# Allegro board MinnowMax_RevA1.brd (continued)
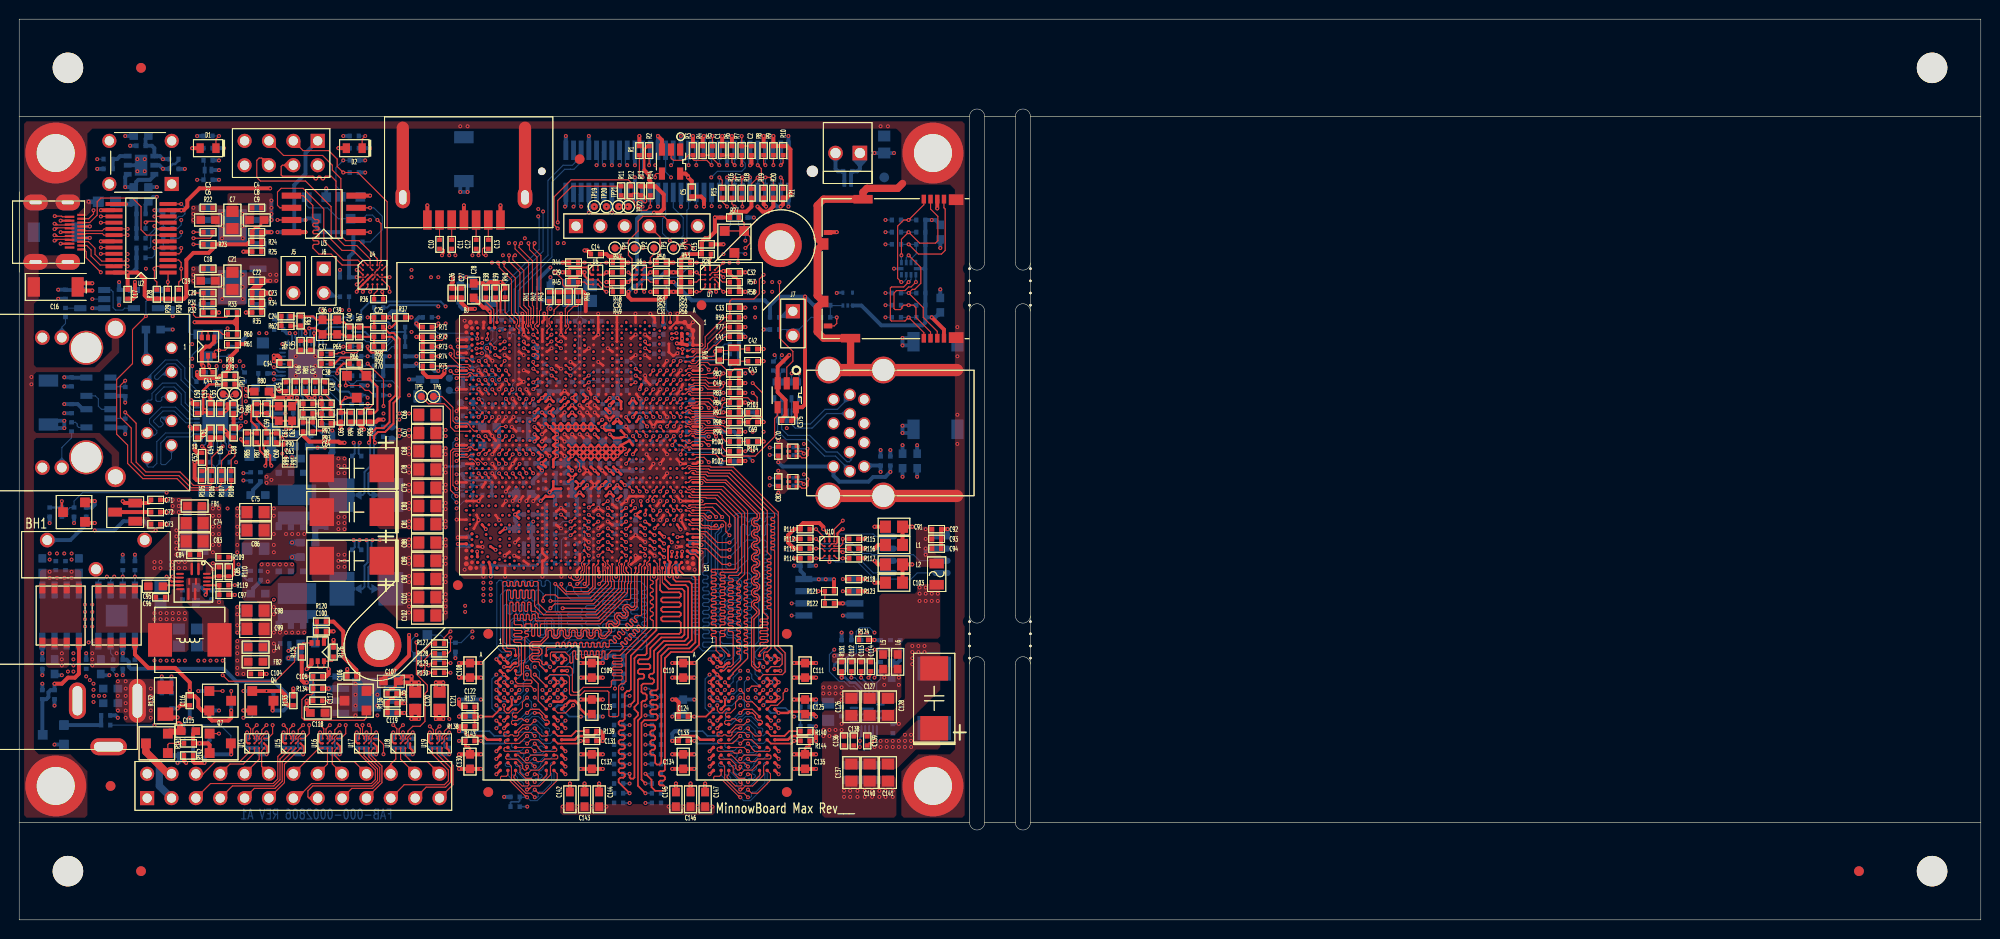
[diagram p0: board, top side]
## Library data of the parts (continued)
C14 C15 C29-C32 C165 C167 C168 C210 C232 C346-C357 C375 = CAP NP: signal model: DEFAULT_CAPACITOR_100000pF_2_1
C16 = CAP_150pF_1000V_0: signal model: DEFAULT_CAPACITOR_150.000000pF_2_1
C24 C229 C270 C296 = C0402: signal model: DEFAULT_CAPACITOR_2200pF_2_1
C25 C60 C71-C73 C136 C138 C283 C284 C307 = C0603: signal model: DEFAULT_CAPACITOR_100000pF_2_1
C34 C37 C46 C116 C338 C341 = C0603: signal model: DEFAULT_CAPACITOR_1e+06pF_2_1
C35 C47 C173 = C0402: signal model: DEFAULT_CAPACITOR_10000pF_2_1
C36 C39 C61 C62 = CAP_0.033uF_X7R_10%_25V_0603: signal model: DEFAULT_CAPACITOR_33000pF_2_1
C40 C59 = C0402: signal model: DEFAULT_CAPACITOR_22000pF_2_1
C42 C43 = C0402: signal model: DEFAULT_CAPACITOR_18.000000pF_2_1
C44 = CAP_3: signal model: DEFAULT_CAPACITOR_1e+06pF_2_1
C45 = C0805: signal model: DEFAULT_CAPACITOR_220000pF_2_1
C48 C184 C189 C226 = C0402: signal model: DEFAULT_CAPACITOR_1000pF_2_1
C49 C69 C374 = C0402: signal model: DEFAULT_CAPACITOR_10.000000pF_2_1
C50-C56 C58 C166 C205-C209 C231 = C-0805_1: signal model: DEFAULT_CAPACITOR_100000pF_2_1
C57 = C-0805_1: signal model: DEFAULT_CAPACITOR_1e+06pF_2_1
C63 = C0402: signal model: DEFAULT_CAPACITOR_220.000000pF_2_1
C64 C186 = C0402: signal model: DEFAULT_CAPACITOR_330.000000pF_2_1
C76 C77 C87 C129 = CAP_POL_330UF_POLY_20%_2V_7343: signal model: DEFAULT_CAPACITOR_3.3e+08pF_1_2
C106 C152 = C0402: signal model: DEFAULT_CAPACITOR_22.000000pF_2_1
C108-C111 C123 C125 C130 C132 C134 C135 C142-C147 C318 C319 C321 C322 C330 C333 C363-C366 C368-C373 = CAP_0.47uF_X5R_10%_10V_0603: signal model: DEFAULT_CAPACITOR_470000pF_2_1
C119 C175 C176 C252 C253 = C0402: signal model: DEFAULT_CAPACITOR_27.000000pF_2_1
C148 C161 C233 = CAP_8200pF_1000V_10%_1: signal model: DEFAULT_CAPACITOR_8200pF_2_1
C149 C150 = CAP_2.2uF_X5R_6.3V_10%_0402: signal model: DEFAULT_CAPACITOR_2.2e+06pF_2_1
C157 C238 C240 = CAP_4p7uF_X5R_10%_10V_0603: signal model: DEFAULT_CAPACITOR_4.7e+06pF_2_1
C164 C201 C224 C225 = C0805: signal model: DEFAULT_CAPACITOR_2.2e+07pF_2_1
C169 C211 = CAP NP_0: signal model: DEFAULT_CAPACITOR_8200pF_2_1
C185 C228 = C0402: signal model: DEFAULT_CAPACITOR_33.000000pF_2_1
C187 C227 = C0402: signal model: DEFAULT_CAPACITOR_560.000000pF_2_1
C188 = C0402: signal model: DEFAULT_CAPACITOR_470.000000pF_2_1
C190 C204 C325 C342 = C0603: signal model: DEFAULT_CAPACITOR_220000pF_2_1
C310 = C0402: signal model: DEFAULT_CAPACITOR_100.000000pF_2_1
C331 = C0402: signal model: DEFAULT_CAPACITOR_3.300000pF_2_1
C358 = C0402: signal model: DEFAULT_CAPACITOR_4700pF_2_1
CHOKE1-CHOKE4 = COM_CHOKE_90_OHM: Tolerance: TOL*; User Part Number: P/N*
CPU1 = INTEL_ATOM_E3825_5
D1 D2 = LED_LTST-C150GKT_1
D3 D4 D6 D11 D12 = BAT54A_2
D5 D8 D10 = DIODE_DUAL_BAT54C-S
D7 D9 = ESD-SOD-XFDFN_P
F1 = FUSE_0
FB1 FB2 FB4 FB5 FB11 L4-L6 L12 L13 = FB0805
FB3 = INDUCTOR_2: room: CPU
FB6 = BEAD_0
FB7 FB9 FB10 FB12 = TB321611U520_1: signal model: DEFAULT_RESISTOR_0.001OHM_2_1
FB8 = BEAD_2: signal model: DEFAULT_RESISTOR_0.001OHM_2_1
H1-H4 = MHOLE
J1 = HEADER 4x2_1
J2 = FAN_JUMPER1x2
J3 = SATA_HEADER_RA_0
J4 = SIP6_RA
J5-J7 = JUMPER1x2_0
J8 = CONN_RJ45_MAGJACK_GIGABIT
J9 = Conn_PwrJack_RAPC712_0
J10 = CONN_5177985-2
JP1 = HDR13x2_0p1
L1 L2 = FB_220OHMS_2A_0805
L3 = CHOKE_2R2M-7D3X6D8-PT6D2-SMD
L7 = 111-1002735: tolerance: 25%
L8 = INDUCTOR IRON_1
L9 L10 = INDUCTOR_0R33M-PT5D1-SMD: signal model: DEFAULT_INDUCTOR_330.000000nH_2_1
L11 = CHOKE_1R0M-7D3X6D8-PT6D2-SMD
LAN1 = RTL8111GS_0
MEM1-MEM4 = MICRON_MT41K256M16HA
P1 = CONN_HDMI_TYPED_TH
P2 = microSD_CONN_BOTTOM
Q1 Q3 = MBT3904DW1T1G_0
Q2 Q9 = BAV99_1
Q4 = MMBT3904
Q5 Q6 Q13 = MOSFET_NCH_30V_3_5A_TSMT3_0
Q7 Q10-Q12 Q14 = 2N7002K
Q8 = MOSFET_NChan_BSS138
R1 R27 R44 R45 R47 R49 R52-R54 R56-R58 R111 R113 R115 R117 R171 R172 R177 R236 R257 = R0402: signal model: DEFAULT_RESISTOR_2200OHM_2_1
R2 R13 R14 R28-R31 R55 R71 R75 R83 R84 R97 R102 R112 R114 R116 R118 R120 R123 R124 R133 R152 R163-R165 R169 R170 R183 R189-R191 R209-R211 R219-R221 R231 R237 R254 R260 R266-R268 R276 R295 R296 R319 R323 R334-R339 = RES_10K0_1%_1/10W_0402: signal model: DEFAULT_RESISTOR_10000OHM_2_1
R3 R90 R196 = R0402: signal model: DEFAULT_RESISTOR_200.000000OHM_2_1
R4 R23 R32 R33 R125 R126 R137 R138 R143 R144 R149 R282 R283 R310 R325 R326 R333 = R0402: signal model: DEFAULT_RESISTOR_4700OHM_2_1
R5 R18 R20 R22 R26 R36 R51 R59 R65 R66 R91 R98 R99 R103 R121 R122 R151 R178 R188 R199 R227 R235 R243 R248 R261 R293 R300 R302 R306 R353 = R0402: signal model: DEFAULT_RESISTOR_0.001OHM_2_1
R6 R7 R69 R87 R94 R134 R162 R186 R187 R253 R259 R278 R289 = R0402: signal model: DEFAULT_RESISTOR_1000.000000OHM_2_1
R8-R10 R19 R21 = RES_51R0_1%_0p1W_0402: signal model: DEFAULT_RESISTOR_51.000000OHM_2_1
R11 R12 R269 R270 = R0402: signal model: DEFAULT_RESISTOR_22.000000OHM_2_1
R15-R17 = RES_1K00_1p0%_0p1W_0402: signal model: DEFAULT_RESISTOR_1000.000000OHM_2_1
R24 R150 R225 = R0402: signal model: DEFAULT_RESISTOR_12100OHM_2_1
R25 = R0402: signal model: DEFAULT_RESISTOR_9530OHM_2_1
R34 = R0402: signal model: DEFAULT_RESISTOR_6040OHM_2_1
R35 = R0402: signal model: DEFAULT_RESISTOR_23700OHM_2_1
R37 R64 R81 R89 R320 = R0402: signal model: DEFAULT_RESISTOR_10.000000OHM_2_1
R38 R39 R213 = R0402: signal model: DEFAULT_RESISTOR_150.000000OHM_2_1
R40 = RES_357R_1%_1/10W_0402: signal model: DEFAULT_RESISTOR_357.000000OHM_2_1
R41-R43 R46 R48 R72-R74 R127-R130 R192 R216 R222 R251 R265 R275 R354 = R0603: signal model: DEFAULT_RESISTOR_0.001OHM_2_1
R50 R82 R119 R147 R154-R157 R173 R174 R180 R182 R273 R274 R292 R299 R301 R303 R309 R322 R324 R340 = RES_100K_1%_1/10W_0402: signal model: DEFAULT_RESISTOR_100000OHM_2_1
R60 R61 R161 R256 R279 = R0402: signal model: DEFAULT_RESISTOR_20000OHM_2_1
R62 R249 = R0402: signal model: DEFAULT_RESISTOR_649.000000OHM_2_1
R63 = R0402: signal model: DEFAULT_RESISTOR_3570OHM_2_1
R67 R86 = R0402: signal model: DEFAULT_RESISTOR_11000OHM_2_1
R68 R88 = R0402: signal model: DEFAULT_RESISTOR_1.000000OHM_2_1
R70 = R0402: signal model: DEFAULT_RESISTOR_2550OHM_2_1
R76 = R0402: signal model: DEFAULT_RESISTOR_0.01OHM_2_1
R77 R185 = R0402: signal model: DEFAULT_RESISTOR_45.300000OHM_2_1
R78 R208 R233 R234 R288 R321 = R_0: signal model: DEFAULT_RESISTOR_1000.000000OHM_2_1
R79 = R_0: signal model: DEFAULT_RESISTOR_15000OHM_2_1
R80 = R0603: signal model: DEFAULT_RESISTOR_1.000000OHM_2_1
R85 = R0402: signal model: DEFAULT_RESISTOR_2610OHM_2_1
R92 = R0402: signal model: DEFAULT_RESISTOR_2320OHM_2_1
R93 = R0402: signal model: DEFAULT_RESISTOR_3320OHM_2_1
R95 R96 = R0402: signal model: DEFAULT_RESISTOR_1910OHM_2_1
R100 R228 = R0402: signal model: DEFAULT_RESISTOR_20.000000OHM_2_1
R101 R201 = R0402: signal model: DEFAULT_RESISTOR_16.900000OHM_2_1
R104 R197 R223 R224 = R0402: signal model: DEFAULT_RESISTOR_69.800000OHM_2_1
R105 = R_0: signal model: DEFAULT_RESISTOR_2490OHM_2_1
R106 = R_0: signal model: DEFAULT_RESISTOR_330.000000OHM_2_1
R107 R108 R232 R264 = R_0: signal model: DEFAULT_RESISTOR_0.001OHM_2_1
R109 R110 = R0402: signal model: DEFAULT_RESISTOR_499000OHM_2_1
R131 = R0402: signal model: DEFAULT_RESISTOR_121000OHM_2_1
R132 R271 R290 = R1206: signal model: DEFAULT_RESISTOR_2.200000OHM_2_1
R135 = R0402: signal model: DEFAULT_RESISTOR_143000OHM_2_1
R136 = R0402: signal model: DEFAULT_RESISTOR_40200OHM_2_1
R139 R140 R327 R332 = R0402: signal model: DEFAULT_RESISTOR_240.000000OHM_2_1
R141 R206 = R0402: signal model: DEFAULT_RESISTOR_200000OHM_2_1
R142 R194 = R0402: signal model: DEFAULT_RESISTOR_33000OHM_2_1
R145 = RES_0R01_1%_1/8W_0805: signal model: DEFAULT_RESISTOR_0.01OHM_2_1
R146 R148 = RES_470_1/10W_5%_0402: signal model: DEFAULT_RESISTOR_4750OHM_2_1
R153 = RES_27K4_1/16W_1%_0402: signal model: DEFAULT_RESISTOR_27400OHM_2_1
R158-R160 R175 R176 R181 R308 = RESISTOR: signal model: DEFAULT_RESISTOR_33.000000OHM_2_1
R166-R168 = RES_0OHM_5%_1/16W_0402_0: tolerance: 5%; signal model: DEFAULT_RESISTOR_0.001OHM_2_1
R179 R207 R252 = RESISTOR: signal model: DEFAULT_RESISTOR_220.000000OHM_2_1
R184 R217 R218 R239 = R0402: signal model: DEFAULT_RESISTOR_402.000000OHM_2_1
R193 = R0402: signal model: DEFAULT_RESISTOR_2700OHM_2_1
R195 = R0402: signal model: DEFAULT_RESISTOR_169000OHM_2_1
R198 R245 = R0402: signal model: DEFAULT_RESISTOR_6980OHM_2_1
R200 = R0402: signal model: DEFAULT_RESISTOR_3600OHM_2_1
R202 R244 = R0402: signal model: DEFAULT_RESISTOR_18700OHM_2_1
R203 R229 = R0402: signal model: DEFAULT_RESISTOR_3830OHM_2_1
R204 R205 R230 R263 R277 R286 R297 = R0805: signal model: DEFAULT_RESISTOR_0.001OHM_2_1
R212 = R0402: signal model: DEFAULT_RESISTOR_1240OHM_2_1
R214 = R0402: signal model: DEFAULT_RESISTOR_47.500000OHM_2_1
R215 = R0402: signal model: DEFAULT_RESISTOR_4020OHM_2_1
R226 = R0402: signal model: DEFAULT_RESISTOR_37400OHM_2_1
R238 R240-R242 R258 = R0402: signal model: DEFAULT_RESISTOR_49.900000OHM_2_1
R246 = R0402: signal model: DEFAULT_RESISTOR_80600OHM_2_1
R247 = R0402: signal model: DEFAULT_RESISTOR_30000OHM_2_1
R250 = R0402: signal model: DEFAULT_RESISTOR_3010OHM_2_1
R255 = R0402: signal model: DEFAULT_RESISTOR_73.200000OHM_2_1
R262 R272 R285 R287 = R0402
R280 = R0402: signal model: DEFAULT_RESISTOR_23.200000OHM_2_1
R281 = R0402: signal model: DEFAULT_RESISTOR_162.000000OHM_2_1
R284 = R0402: signal model: DEFAULT_RESISTOR_29.400000OHM_2_1
R291 R298 = R0603: signal model: DEFAULT_RESISTOR_4.700000OHM_2_1
R294 = R0402: signal model: DEFAULT_RESISTOR_150000OHM_2_1
R304 R305 = R0402: signal model: DEFAULT_RESISTOR_30.000000OHM_2_1
R307 = R_72: signal model: DEFAULT_RESISTOR_2200OHM_2_1
R311-R318 R328-R331 R341-R352 = RES_36R0_1%_1/16W_0402: signal model: DEFAULT_RESISTOR_36.000000OHM_2_1
SP1-SP4 = SHORT-NMNP
SW1 = SW_B3F-1000
TP1 TP2 TP4 TP17-TP24 = TEST_PAD_2
TP3 TP5-TP16 = TEST_PAD_0
U1 = SN74AUP1G34_DBV
U2 = TPD12S016_24TSSOP
U3 = MICRON_SPI_MEM_N25Q064A
U4 = TS3A27518EZQS
U5 U6 = TXS0102YZP
U7 U10 U14-U19 = TXS0104EYZT
U8 U9 = PROT_TPD4S012_3
U11 U12 = MOSFET_NCH_30V_12A_HS08_0
U13 = NB670_24V_REG_wLDO_QFN16_1
U20 = NCP606_LDO_500mA_DFN6: Tolerance: TOL*; User Part Number: P/N*
U21 U24 = IC-SOP8_APL5933AKAI-TRG
U22 = TPD6E001RSE_1
U23 = TPD2E001DRL_1
U25 U28 U39 = SN74LVC1G14DBVR
U26 U30 = 74LVC1G08_0
U27 = IC-QFN40_ISL95837HRZ_1
U29 = TPD4EUSB30_0
U31 U34 = FDMS3660S_DUAL_2
U32 = TPS2066DR
U33 = IC-SOP8_EEPROM_M24C02-WMN6TP_1
U35 = NCT3012S_1
U36 = IRF9321-FET_P-CH_SOIC8_1
U37 = NB675GL-Z_0
U38 = IC-SOP8_APL5912KAC-TRG_1
USB1 = USB_LPP_LPUSB1013_3
Y1 = XTAL-2P-32P768KHz_145-0004789
Y2 Y3 = XTAL-4P-25MHZ_145-0004792

## Footprints (pads in the part's own frame, mm; a bottom-side part is the same pattern mirrored in y, then rotated)
2-SMD
  rect 0.7x1.35 smd: 1(-0.762,0) 2(0.762,0)
2-XFDFN
  rect 0.4x0.7 smd: N(-0.35,0) P(0.35,0)
6605814-6
  round 1.27 hole 0.914: 1(0,0) 2(1.27,-2.54) 3(2.54,0) 4(3.81,-2.54) 5(5.08,0) 6(6.35,-2.54) 7(7.62,0) 8(8.89,-2.54) 9(10.16,0) 10(11.43,-2.54)
  round 1.524 hole 1.016: D1(-1.067,-11.43) D2(-1.067,-13.462) D3(12.497,-11.43) D4(12.497,-13.462)
  round 3.556 hole 3.175: M1(0,-8.89) M2(11.43,-8.89)
  round 2.159 hole 1.575: SHLD1(-2.032,-5.842) SHLD2(13.462,-5.842)
BAT54_132_2
  rect 1.016x1.016 smd: 1(-1.016,-1.143) 2(1.016,-1.143) 3(0,1.143)
BATT3_190X610
  round 1.524 hole 1.016: 1(-5.08,-1.524) 2(5.08,-1.524) 3(0,1.524)
BGA24_E5_P5_3X3
  round 0.229 smd: A1(-1,1) A2(-0.5,1) A3(0,1) A4(0.5,1) A5(1,1) B1(-1,0.5) B3(0,0.5) B4(0.5,0.5) B5(1,0.5) C1(-1,0) C2(-0.5,0) C3(0,0) C4(0.5,0) C5(1,0) D1(-1,-0.5) D2(-0.5,-0.5) D3(0,-0.5) D4(0.5,-0.5) D5(1,-0.5) E1(-1,-1) E2(-0.5,-1) E3(0,-1) E4(0.5,-1) E5(1,-1)
C0402
  rect 0.45x0.5 smd: 1(-0.475,0) 2(0.475,0)
C0603
  rect 0.889x0.813 smd: 1(-0.762,0) 2(0.762,0)
C0805
  rect 1.143x1.27 smd: 1(-0.889,0) 2(0.889,0)
C1808
  rect 1.27x2.032 smd: 1(-2.286,0) 2(2.286,0)
C7343
  rect 2.55x2.9 smd: 1(-3.125,0) 2(3.125,0)
CHOKE4_0805
  rect 0.75x0.4 smd: 1(-0.875,-0.399) 2(-0.875,0.399) 3(0.875,0.399) 4(0.875,-0.399)
CHOKE_NLC252018_SMD_2P
  rect 1.02x2.54 smd: 1(-1.145,0) 2(1.145,0)
CHOKE_PT5D1MM_SMD
  rect 2.6x3.5 smd: 1(-2.55,0) 2(2.55,0)
CHOKE_PT6D2MM_SMD_2P
  rect 2.5x3.5 smd: 1(-3.1,0) 2(3.1,0)
CONN19_HDMI-1
  rect 0.23x0.85 smd: 1(1.8,4.765) 3(1.4,4.765) 5(1,4.765) 7(0.6,4.765) 9(0.2,4.765) 11(-0.2,4.765) 13(-0.6,4.765) 15(-1,4.765) 17(-1.4,4.765) 19(-1.8,4.765)
  rect 0.23x1 smd: 2(1.6,3.54) 4(1.2,3.54) 6(0.8,3.54) 8(0.4,3.54) 10(0,3.54) 12(-0.4,3.54) 14(-0.8,3.54) 16(-1.2,3.54) 18(-1.6,3.54)
  oval 1.651x2.54 hole 0.381x1.27: 20(3.1,0) 21(-3.1,0) 22(3.094,3.36) 23(-3.1,3.36)
DFN6_3X3P3MM
  rect 0.825x0.5 smd: 1(-1.385,0.95) 2(-1.385,0) 3(-1.385,-0.95) 4(1.385,-0.95) 5(1.385,0) 6(1.385,0.95)
  rect 1.3x2.2 smd: 7(0,0)
DSBGA-8
  round 0.254 smd: A1(-0.25,0.75) A2(0.25,0.75) B1(-0.25,0.25) B2(0.25,0.25) C1(-0.25,-0.25) C2(0.25,-0.25) D1(-0.25,-0.75) D2(0.25,-0.75)
DSBGA-12
  round 0.229 smd: A1(-0.5,0.75) A2(0,0.75) A3(0.5,0.75) B1(-0.5,0.25) B2(0,0.25) B3(0.5,0.25) C1(-0.5,-0.25) C2(0,-0.25) C3(0.5,-0.25) D1(-0.5,-0.75) D2(0,-0.75) D3(0.5,-0.75)
ESOP8_W150_PT50-90X90
  rect 0.66x1.778 smd: 1(-1.905,-2.667) 2(-0.635,-2.667) 3(0.635,-2.667) 4(1.905,-2.667) 5(1.905,2.667) 6(0.635,2.667) 7(-0.635,2.667) 8(-1.905,2.667)
  rect 2.286x2.286 smd: 9(0,0)
FB0603
  rect 0.889x0.813 smd: 1(-0.762,0) 2(0.762,0)
FB0805
  rect 1.143x1.27 smd: 1(-0.889,0) 2(0.889,0)
FBGA96_DDR3
  round 1.016 smd: (-4.445,8.255) (-4.445,-8.255)
  round 0.356 smd: A1(-3.2,6) A2(-2.4,6) A3(-1.6,6) A7(1.6,6) A8(2.4,6) A9(3.2,6) B1(-3.2,5.2) B2(-2.4,5.2) B3(-1.6,5.2) B7(1.6,5.2) B8(2.4,5.2) B9(3.2,5.2) C1(-3.2,4.4) C2(-2.4,4.4) C3(-1.6,4.4) C7(1.6,4.4) C8(2.4,4.4) C9(3.2,4.4) D1(-3.2,3.6) D2(-2.4,3.6) D3(-1.6,3.6) D7(1.6,3.6) D8(2.4,3.6) D9(3.2,3.6) E1(-3.2,2.8) E2(-2.4,2.8) E3(-1.6,2.8) E7(1.6,2.8) E8(2.4,2.8) E9(3.2,2.8) F1(-3.2,2) F2(-2.4,2) F3(-1.6,2) F7(1.6,2) F8(2.4,2) F9(3.2,2) G1(-3.2,1.2) G2(-2.4,1.2) G3(-1.6,1.2) G7(1.6,1.2) G8(2.4,1.2) G9(3.2,1.2) H1(-3.2,0.4) H2(-2.4,0.4) H3(-1.6,0.4) H7(1.6,0.4) H8(2.4,0.4) H9(3.2,0.4) J1(-3.2,-0.4) J2(-2.4,-0.4) J3(-1.6,-0.4) J7(1.6,-0.4) J8(2.4,-0.4) J9(3.2,-0.4) K1(-3.2,-1.2) K2(-2.4,-1.2) K3(-1.6,-1.2) K7(1.6,-1.2) K8(2.4,-1.2) K9(3.2,-1.2) L1(-3.2,-2) L2(-2.4,-2) L3(-1.6,-2) L7(1.6,-2) L8(2.4,-2) L9(3.2,-2) M1(-3.2,-2.8) M2(-2.4,-2.8) M3(-1.6,-2.8) M7(1.6,-2.8) M8(2.4,-2.8) M9(3.2,-2.8) N1(-3.2,-3.6) N2(-2.4,-3.6) N3(-1.6,-3.6) N7(1.6,-3.6) N8(2.4,-3.6) N9(3.2,-3.6) P1(-3.2,-4.4) P2(-2.4,-4.4) P3(-1.6,-4.4) P7(1.6,-4.4) P8(2.4,-4.4) P9(3.2,-4.4) R1(-3.2,-5.2) R2(-2.4,-5.2) R3(-1.6,-5.2) R7(1.6,-5.2) R8(2.4,-5.2) R9(3.2,-5.2) T1(-3.2,-6) T2(-2.4,-6) T3(-1.6,-6) T7(1.6,-6) T8(2.4,-6) T9(3.2,-6)
FBGA96_DDR3#2
  round 1.016 smd: (4.445,8.255) (4.445,-8.255)
  round 0.356 smd: A1(-3.2,6) A2(-2.4,6) A3(-1.6,6) A7(1.6,6) A8(2.4,6) A9(3.2,6) B1(-3.2,5.2) B2(-2.4,5.2) B3(-1.6,5.2) B7(1.6,5.2) B8(2.4,5.2) B9(3.2,5.2) C1(-3.2,4.4) C2(-2.4,4.4) C3(-1.6,4.4) C7(1.6,4.4) C8(2.4,4.4) C9(3.2,4.4) D1(-3.2,3.6) D2(-2.4,3.6) D3(-1.6,3.6) D7(1.6,3.6) D8(2.4,3.6) D9(3.2,3.6) E1(-3.2,2.8) E2(-2.4,2.8) E3(-1.6,2.8) E7(1.6,2.8) E8(2.4,2.8) E9(3.2,2.8) F1(-3.2,2) F2(-2.4,2) F3(-1.6,2) F7(1.6,2) F8(2.4,2) F9(3.2,2) G1(-3.2,1.2) G2(-2.4,1.2) G3(-1.6,1.2) G7(1.6,1.2) G8(2.4,1.2) G9(3.2,1.2) H1(-3.2,0.4) H2(-2.4,0.4) H3(-1.6,0.4) H7(1.6,0.4) H8(2.4,0.4) H9(3.2,0.4) J1(-3.2,-0.4) J2(-2.4,-0.4) J3(-1.6,-0.4) J7(1.6,-0.4) J8(2.4,-0.4) J9(3.2,-0.4) K1(-3.2,-1.2) K2(-2.4,-1.2) K3(-1.6,-1.2) K7(1.6,-1.2) K8(2.4,-1.2) K9(3.2,-1.2) L1(-3.2,-2) L2(-2.4,-2) L3(-1.6,-2) L7(1.6,-2) L8(2.4,-2) L9(3.2,-2) M1(-3.2,-2.8) M2(-2.4,-2.8) M3(-1.6,-2.8) M7(1.6,-2.8) M8(2.4,-2.8) M9(3.2,-2.8) N1(-3.2,-3.6) N2(-2.4,-3.6) N3(-1.6,-3.6) N7(1.6,-3.6) N8(2.4,-3.6) N9(3.2,-3.6) P1(-3.2,-4.4) P2(-2.4,-4.4) P3(-1.6,-4.4) P7(1.6,-4.4) P8(2.4,-4.4) P9(3.2,-4.4) R1(-3.2,-5.2) R2(-2.4,-5.2) R3(-1.6,-5.2) R7(1.6,-5.2) R8(2.4,-5.2) R9(3.2,-5.2) T1(-3.2,-6) T2(-2.4,-6) T3(-1.6,-6) T7(1.6,-6) T8(2.4,-6) T9(3.2,-6)
FCBGA-1170
  round 1.016 smd: (-14.605,12.7) (14.605,-12.7)
  round 0.521 smd: A3(11.951,-11.814) A52(-12.383,-11.814) B2(12.383,-11.383) B53(-12.814,-11.383) BH1(12.814,11.383) BH53(-12.814,11.383) BJ2(12.383,11.814) BJ52(-12.383,11.814) C1(12.814,-10.951)
  round 0.406 smd: A5(11.17,-11.814) A6(10.447,-11.814) A49(-10.992,-11.814) A51(-11.773,-11.814) B52(-12.225,-11.225) BE1(12.814,9.992) BE53(-12.814,9.992) BG1(12.814,10.773) BG53(-12.814,10.773) BH2(12.225,11.225) BH52(-12.225,11.225) BJ3(11.773,11.814) BJ5(10.992,11.814) BJ49(-10.992,11.814) BJ51(-11.773,11.814) C53(-12.814,-10.773) E1(12.814,-10.17) E53(-12.814,-9.992) F1(12.814,-9.447)
  round 0.356 smd: A7(9.748,-11.814) A9(8.836,-11.814) A47(-9.621,-11.814) A48(-10.294,-11.814) B4(11.632,-11.238) B5(11.038,-11.222) B6(10.445,-11.221) B8(9.258,-11.224) B46(-9.258,-11.224) B48(-10.445,-11.221) B49(-11.038,-11.222) B50(-11.632,-11.238) BC1(12.814,8.621) BC2(12.246,8.852) BC52(-12.246,8.852) BC53(-12.814,8.621) BD1(12.814,9.294) BD2(12.221,9.445) BD52(-12.221,9.445) BD53(-12.814,9.294) BE2(12.222,10.038) BE52(-12.222,10.038) BF2(12.238,10.632) BF52(-12.238,10.632) BG3(11.644,10.644) BG51(-11.644,10.644) BH4(11.632,11.238) BH5(11.038,11.222) BH6(10.445,11.221) BH8(9.258,11.224) BH46(-9.258,11.224) BH48(-10.445,11.221) BH49(-11.038,11.222) BH50(-11.632,11.238) BJ6(10.294,11.814) BJ7(9.621,11.814) BJ47(-9.621,11.814) BJ48(-10.294,11.814) C3(11.644,-10.644) C51(-11.644,-10.644) D2(12.238,-10.632) D52(-12.238,-10.632) E2(12.222,-10.038) E52(-12.222,-10.038) F2(12.221,-9.445) F52(-12.221,-9.445) F53(-12.814,-9.294) G1(12.814,-8.679) G2(12.246,-8.852) G52(-12.246,-8.852) G53(-12.814,-8.621) J1(12.814,-7.816)
  oval 0.254x0.343 smd: A11(7.774,-11.814) A13(6.803,-11.814) A15(5.831,-11.814) A17(4.859,-11.814) A19(3.887,-11.814) A21(2.915,-11.814) A23(1.944,-11.814) A25(0.972,-11.814) A27(0,-11.814) A29(-0.972,-11.814) A31(-1.944,-11.814) A33(-2.915,-11.814) A35(-3.887,-11.814) A37(-4.859,-11.814) A39(-5.831,-11.814) A41(-6.803,-11.814) A43(-7.774,-11.814) A45(-8.746,-11.814) BJ9(8.746,11.814) BJ11(7.774,11.814) BJ13(6.803,11.814) BJ15(5.831,11.814) BJ17(4.859,11.814) BJ19(3.887,11.814) BJ21(2.915,11.814) BJ23(1.944,11.814) BJ25(0.972,11.814) BJ27(0,11.814) BJ29(-0.972,11.814) BJ31(-1.944,11.814) BJ33(-2.915,11.814) BJ35(-3.887,11.814) BJ37(-4.859,11.814) BJ39(-5.831,11.814) BJ41(-6.803,11.814) BJ43(-7.774,11.814) BJ45(-8.746,11.814)
  oval 0.343x0.254 smd: AA1(12.814,-1.944) AA53(-12.814,-1.944) AC1(12.814,-0.972) AC53(-12.814,-0.972) AE1(12.814,0) AE53(-12.814,0) AG1(12.814,0.972) AG53(-12.814,0.972) AJ1(12.814,1.944) AJ53(-12.814,1.944) AL1(12.814,2.915) AL53(-12.814,2.915) AN1(12.814,3.887) AN53(-12.814,3.887) AR1(12.814,4.859) AR53(-12.814,4.859) AU1(12.814,5.831) AU53(-12.814,5.831) AW1(12.814,6.803) AW53(-12.814,6.803) BA1(12.814,7.774) BA53(-12.814,7.774) J53(-12.814,-7.774) L1(12.814,-6.803) L53(-12.814,-6.803) N1(12.814,-5.831) N53(-12.814,-5.831) R1(12.814,-4.859) R53(-12.814,-4.859) U1(12.814,-3.887) U53(-12.814,-3.887) W1(12.814,-2.915) W53(-12.814,-2.915)
  round 0.279 smd: AA3(12.071,-1.944) AA51(-12.071,-1.944) AB2(12.429,-1.458) AB3(11.73,-1.458) AB51(-11.73,-1.458) AB52(-12.429,-1.458) AC3(12.071,-0.972) AC51(-12.071,-0.972) AD2(12.429,-0.486) AD3(11.715,-0.48) AD51(-11.715,-0.48) AD52(-12.429,-0.486) AE3(12.071,0) AE4(11.366,0) AE50(-11.366,0) AE51(-12.071,0) AF2(12.429,0.486) AF3(11.715,0.48) AF51(-11.715,0.48) AF52(-12.429,0.486) AG3(12.071,0.972) AG51(-12.071,0.972) AH2(12.429,1.458) AH3(11.73,1.458) AH51(-11.73,1.458) AH52(-12.429,1.458) AJ3(12.071,1.944) AJ51(-12.071,1.944) AK2(12.429,2.43) AK3(11.73,2.43) AK51(-11.73,2.43) AK52(-12.429,2.43) AL3(12.071,2.915) AL51(-12.071,2.915) AM2(12.429,3.401) AM3(11.73,3.401) AM51(-11.73,3.401) AM52(-12.429,3.401) AN3(12.071,3.887) AN51(-12.071,3.887) AP2(12.429,4.373) AP3(11.73,4.373) AP51(-11.73,4.373) AP52(-12.429,4.373) AR3(12.071,4.859) AR51(-12.071,4.859) AT2(12.429,5.345) AT3(11.73,5.345) AT51(-11.73,5.345) AT52(-12.429,5.345) AU3(12.071,5.831) AU51(-12.071,5.831) AV2(12.429,6.317) AV3(11.73,6.317) AV51(-11.73,6.317) AV52(-12.429,6.317) AW3(12.071,6.803) AW51(-12.071,6.803) AY2(12.429,7.289) AY3(11.73,7.289) AY51(-11.73,7.289) AY52(-12.429,7.289) B10(8.26,-11.429) B12(7.289,-11.429) B14(6.317,-11.429) B16(5.345,-11.429) B18(4.373,-11.429) B20(3.401,-11.429) B22(2.43,-11.429) B24(1.458,-11.429) B26(0.486,-11.429) B28(-0.486,-11.429) B30(-1.458,-11.429) B32(-2.43,-11.429) B34(-3.401,-11.429) B36(-4.373,-11.429) B38(-5.345,-11.429) B40(-6.317,-11.429) B42(-7.289,-11.429) B44(-8.26,-11.429) BA3(12.071,7.774) BA51(-12.071,7.774) BB3(11.929,8.351) BB51(-11.929,8.351) BF27(0,10.366) BG9(8.698,11.028) BG11(7.774,11.071) BG12(7.289,10.73) BG13(6.803,11.071) BG14(6.317,10.73) BG15(5.831,11.071) BG16(5.345,10.73) BG17(4.859,11.071) BG18(4.373,10.73) BG19(3.887,11.071) BG20(3.401,10.73) BG21(2.915,11.071) BG22(2.43,10.73) BG23(1.944,11.071) BG24(1.458,10.73) BG25(0.972,11.071) BG26(0.48,10.715) BG27(0,11.071) BG28(-0.48,10.715) BG29(-0.972,11.071) BG30(-1.458,10.73) BG31(-1.944,11.071) BG32(-2.43,10.73) BG33(-2.915,11.071) BG34(-3.401,10.73) BG35(-3.887,11.071) BG36(-4.373,10.73) BG37(-4.859,11.071) BG38(-5.345,10.73) BG39(-5.831,11.071) BG40(-6.317,10.73) BG41(-6.803,11.071) BG42(-7.289,10.73) BG43(-7.774,11.071) BG45(-8.698,11.028) BH10(8.26,11.429) BH12(7.289,11.429) BH14(6.317,11.429) BH16(5.345,11.429) BH18(4.373,11.429) BH20(3.401,11.429) BH22(2.43,11.429) BH24(1.458,11.429) BH26(0.486,11.429) BH28(-0.486,11.429) BH30(-1.458,11.429) BH32(-2.43,11.429) BH34(-3.401,11.429) BH36(-4.373,11.429) BH38(-5.345,11.429) BH40(-6.317,11.429) BH42(-7.289,11.429) BH44(-8.26,11.429) C9(8.698,-11.028) C11(7.774,-11.071) C12(7.289,-10.73) C13(6.803,-11.071) C14(6.317,-10.73) C15(5.831,-11.071) C16(5.345,-10.73) C17(4.859,-11.071) C18(4.373,-10.73) C19(3.887,-11.071) C20(3.401,-10.73) C21(2.915,-11.071) C22(2.43,-10.73) C23(1.944,-11.071) C24(1.458,-10.73) C25(0.972,-11.071) C26(0.48,-10.715) C27(0,-11.071) C28(-0.48,-10.715) C29(-0.972,-11.071) C30(-1.458,-10.73) C31(-1.944,-11.071) C32(-2.43,-10.73) C33(-2.915,-11.071) C34(-3.401,-10.73) C35(-3.887,-11.071) C36(-4.373,-10.73) C37(-4.859,-11.071) C38(-5.345,-10.73) C39(-5.831,-11.071) C40(-6.317,-10.73) C41(-6.803,-11.071) C42(-7.289,-10.73) C43(-7.774,-11.071) C45(-8.698,-11.028) D27(0,-10.366) H3(11.929,-8.351) H51(-11.929,-8.351) J3(12.071,-7.774) J51(-12.071,-7.774) K2(12.429,-7.289) K3(11.73,-7.289) K51(-11.73,-7.289) K52(-12.429,-7.289) L3(12.071,-6.803) L51(-12.071,-6.803) M2(12.429,-6.317) M3(11.73,-6.317) M51(-11.73,-6.317) M52(-12.429,-6.317) N3(12.071,-5.831) N51(-12.071,-5.831) P2(12.429,-5.345) P3(11.73,-5.345) P51(-11.73,-5.345) P52(-12.429,-5.345) R3(12.071,-4.859) R51(-12.071,-4.859) T2(12.429,-4.373) T3(11.73,-4.373) T51(-11.73,-4.373) T52(-12.429,-4.373) U3(12.071,-3.887) U51(-12.071,-3.887) V2(12.429,-3.401) V3(11.73,-3.401) V51(-11.73,-3.401) V52(-12.429,-3.401) W3(12.071,-2.915) W51(-12.071,-2.915) Y2(12.429,-2.43) Y3(11.73,-2.43) Y51(-11.73,-2.43) Y52(-12.429,-2.43)
  round 0.33 smd: AA16(5.307,-1.961) AA18(4.549,-1.961) AA19(3.791,-1.961) AA21(3.033,-1.961) AA22(2.275,-1.961) AA24(1.516,-1.961) AA25(0.758,-1.961) AA27(0,-1.961) AA29(-0.758,-1.961) AA30(-1.516,-1.961) AA32(-2.275,-1.961) AA33(-3.033,-1.961) AA35(-3.791,-1.961) AA36(-4.549,-1.961) AA38(-5.307,-1.961) AC16(5.307,-1.177) AC18(4.549,-1.177) AC19(3.791,-1.177) AC21(3.033,-1.177) AC22(2.275,-1.177) AC24(1.516,-1.177) AC25(0.758,-1.177) AC27(0,-1.177) AC29(-0.758,-1.177) AC30(-1.516,-1.177) AC32(-2.275,-1.177) AC33(-3.033,-1.177) AC35(-3.791,-1.177) AC36(-4.549,-1.177) AC38(-5.307,-1.177) AD16(5.307,-0.392) AD18(4.549,-0.392) AD19(3.791,-0.392) AD21(3.033,-0.392) AD22(2.275,-0.392) AD24(1.516,-0.392) AD25(0.758,-0.392) AD27(0,-0.392) AD29(-0.758,-0.392) AD30(-1.516,-0.392) AD32(-2.275,-0.392) AD33(-3.033,-0.392) AD35(-3.791,-0.392) AD36(-4.549,-0.392) AD38(-5.307,-0.392) AF16(5.307,0.392) AF18(4.549,0.392) AF19(3.791,0.392) AF21(3.033,0.392) AF22(2.275,0.392) AF24(1.516,0.392) AF25(0.758,0.392) AF27(0,0.392) AF29(-0.758,0.392) AF30(-1.516,0.392) AF32(-2.275,0.392) AF33(-3.033,0.392) AF35(-3.791,0.392) AF36(-4.549,0.392) AF38(-5.307,0.392) AG16(5.307,1.177) AG18(4.549,1.177) AG19(3.791,1.177) AG21(3.033,1.177) AG22(2.275,1.177) AG24(1.516,1.177) AG25(0.758,1.177) AG27(0,1.177) AG29(-0.758,1.177) AG30(-1.516,1.177) AG32(-2.275,1.177) AG33(-3.033,1.177) AG35(-3.791,1.177) AG36(-4.549,1.177) AG38(-5.307,1.177) AJ16(5.307,1.961) AJ18(4.549,1.961) AJ19(3.791,1.961) AJ21(3.033,1.961) AJ22(2.275,1.961) AJ24(1.516,1.961) AJ25(0.758,1.961) AJ27(0,1.961) AJ29(-0.758,1.961) AJ30(-1.516,1.961) AJ32(-2.275,1.961) AJ33(-3.033,1.961) AJ35(-3.791,1.961) AJ36(-4.549,1.961) AJ38(-5.307,1.961) AK16(5.307,2.745) AK18(4.549,2.745) AK19(3.791,2.745) AK21(3.033,2.745) AK22(2.275,2.745) AK24(1.516,2.745) AK25(0.758,2.745) AK27(0,2.745) AK29(-0.758,2.745) AK30(-1.516,2.745) AK32(-2.275,2.745) AK33(-3.033,2.745) AK35(-3.791,2.745) AK36(-4.549,2.745) AK38(-5.307,2.745) AM16(5.307,3.53) AM18(4.549,3.53) AM19(3.791,3.53) AM21(3.033,3.53) AM22(2.275,3.53) AM24(1.516,3.53) AM25(0.758,3.53) AM27(0,3.53) AM29(-0.758,3.53) AM30(-1.516,3.53) AM32(-2.275,3.53) AM33(-3.033,3.53) AM35(-3.791,3.53) AM36(-4.549,3.53) AM38(-5.307,3.53) AN16(5.307,4.314) AN18(4.549,4.314) AN19(3.791,4.314) AN21(3.033,4.314) AN22(2.275,4.314) AN24(1.516,4.314) AN25(0.758,4.314) AN27(0,4.314) AN29(-0.758,4.314) AN30(-1.516,4.314) AN32(-2.275,4.314) AN33(-3.033,4.314) AN35(-3.791,4.314) AN36(-4.549,4.314) AN38(-5.307,4.314) U16(5.307,-4.314) U18(4.549,-4.314) U19(3.791,-4.314) U21(3.033,-4.314) U22(2.275,-4.314) U24(1.516,-4.314) U25(0.758,-4.314) U27(0,-4.314) U29(-0.758,-4.314) U30(-1.516,-4.314) U32(-2.275,-4.314) U33(-3.033,-4.314) U35(-3.791,-4.314) U36(-4.549,-4.314) U38(-5.307,-4.314) V16(5.307,-3.53) V18(4.549,-3.53) V19(3.791,-3.53) V21(3.033,-3.53) V22(2.275,-3.53) V24(1.516,-3.53) V25(0.758,-3.53) V27(0,-3.53) V29(-0.758,-3.53) V30(-1.516,-3.53) V32(-2.275,-3.53) V33(-3.033,-3.53) V35(-3.791,-3.53) V36(-4.549,-3.53) V38(-5.307,-3.53) Y16(5.307,-2.745) Y18(4.549,-2.745) Y19(3.791,-2.745) Y21(3.033,-2.745) Y22(2.275,-2.745) Y24(1.516,-2.745) Y25(0.758,-2.745) Y27(0,-2.745) Y29(-0.758,-2.745) Y30(-1.516,-2.745) Y32(-2.275,-2.745) Y33(-3.033,-2.745) Y35(-3.791,-2.745) Y36(-4.549,-2.745) Y38(-5.307,-2.745)